# KiCad board hakea-epaper-onboard.kicad_pcb (continued)
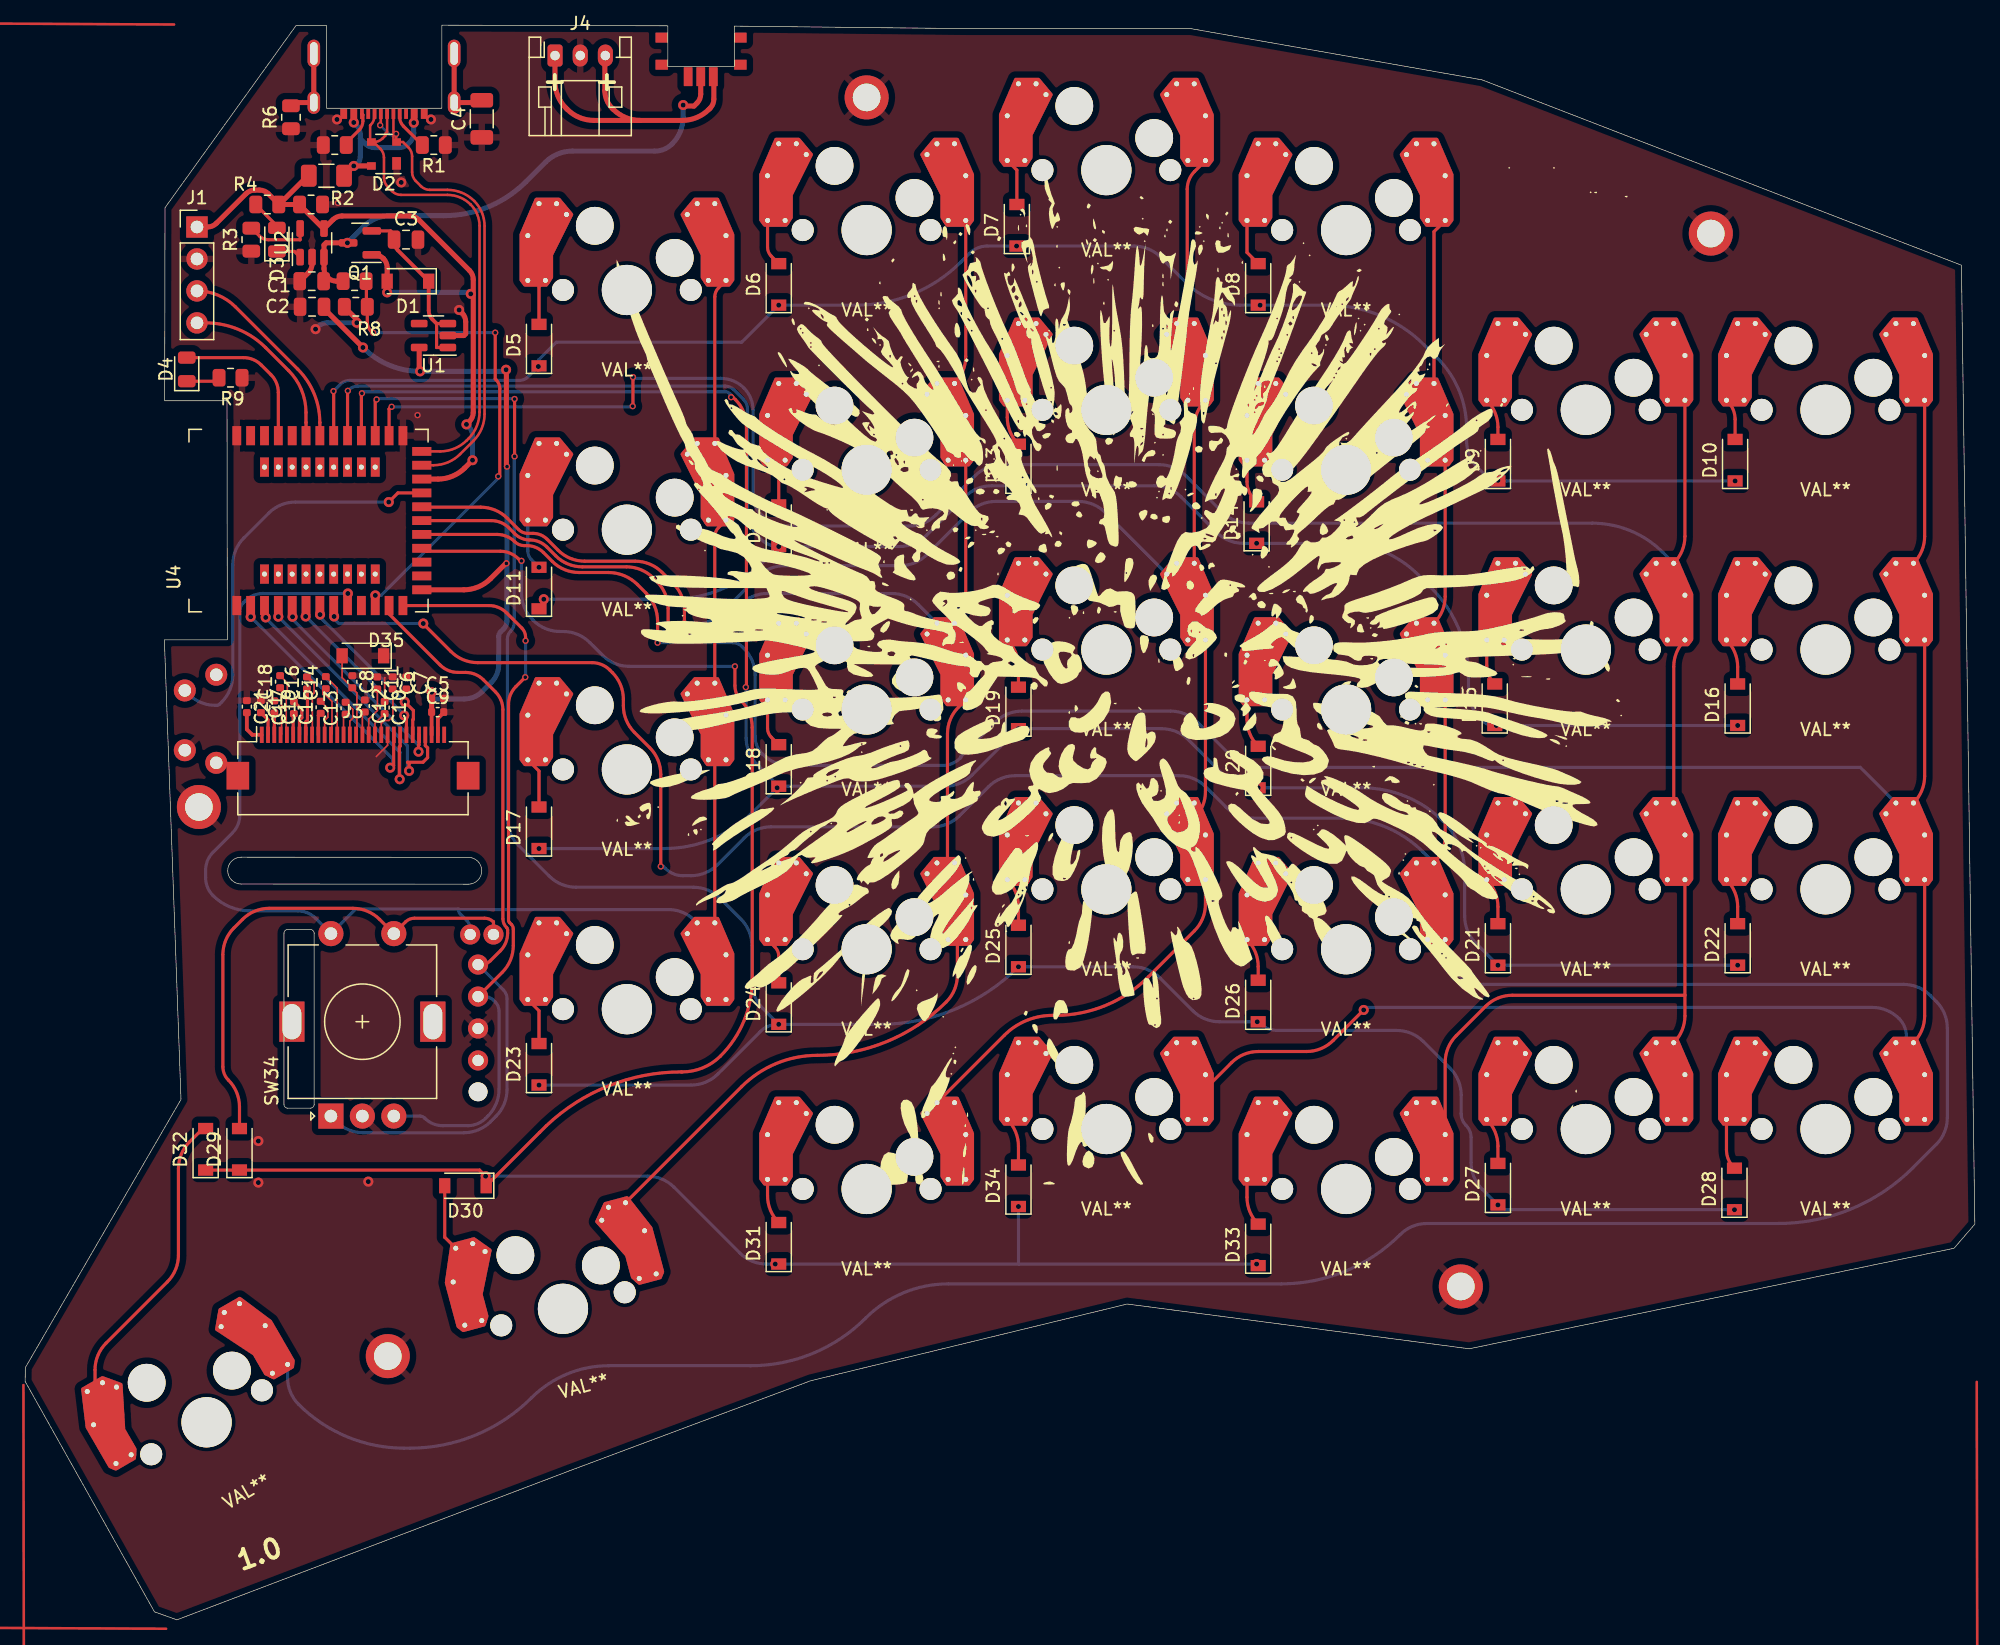
[diagram p0: board, top side]
## Nets
GND: C1.1 C1#2.2 C2.2 C3.2 C4.1 C5.2 C6.1 C7.1 C8.1 C9.2 C10.1 C11.1 C12.1 C19.1 C21.1 D2.1 D35.1 H2.1 H3.1 H4.1 H5.1 H6.1 J1.2 J2.A1 J3.21 J3.29 J4.2 R1.1 R2.2 R3.1 R5.1 R6.1 R8.1 R9.2 SW1.2 SW32.C SW34.C U1.2 U2.2 U4.1 U4.25 U4.37
VBAT: C1#2.1 Q1.3 R7.2 SW33.2 U2.3
VBUS: D1.2 F1.1 J1.1 Q1.1 R2.1 R4.1 U2.4 U4.22
VDD_NRF: C2.1 C5.1 C9.1 J3.28 U1.5 U4.14
/CC1: J2.A5 R1.2
/CC2: J2.B5 R5.2
BUSY: J3.22 U4.2
BVOLT: R7.1 R8.2 U4.11
COL0: SW2.2 SW8.2 SW14.2 SW20.2 SW32.S2 SW34.S2 U4.9
COL1: SW3.2 SW9.2 SW15.2 SW21.2 SW26.2 U4.19
COL2: SW4.2 SW10.2 SW16.2 SW22.2 SW27.2 U4.20
COL3: SW5.2 SW11.2 SW17.2 SW23.2 SW28.2 U4.8
COL4: SW6.2 SW12.2 SW18.2 SW24.2 SW29.2 U4.26
COL5: SW7.2 SW13.2 SW19.2 SW25.2 SW30.2 U4.18
CS: J3.25 U4.7
D+: D2.3 J2.A6 J2.B6 U4.24
D-: D2.2 J2.A7 J2.B7 U4.23
DC: J3.24 U4.6
Earth: C4.2 J2.S1 J2.S2 J2.S3 J2.S4 R6.2
LED_1: D4.2 U4.34
MOSI: J3.27 U4.4
RAW: D2.4 F1.2 J2.A4
RESET: SW1.1 U4.21
ROT1A: SW32.A SW34.A U4.12
ROT1B: SW32.B SW34.B U4.13
ROW0: D5.1 D6.1 D7.1 D8.1 D9.1 D10.1 U4.30
ROW1: D11.1 D12.1 D13.1 D14.1 D15.1 D16.1 U4.29
ROW2: D17.1 D18.1 D19.1 D20.1 D21.1 D22.1 U4.28
ROW3: D23.1 D24.1 D25.1 D26.1 D27.1 D28.1 U4.27
ROW4: D29.1 D30.1 D31.1 D32.1 D33.1 D34.1 U4.17
RST: J3.23 U4.3
SCLK: J3.26 U4.5
SWC: J1.3 U4.31
SWD: J1.4 U4.32
Net-(C3-Pad1): C3.1 D1.1 Q1.2 U1.1 U1.3
Net-(C6-Pad2): C6.2 C7.2 J3.20
Net-(C8-Pad2): C8.2 D35.2 J3.16
Net-(C10-Pad2): C10.2 J3.19
Net-(C11-Pad2): C11.2 J3.18
Net-(C12-Pad2): C12.2 J3.17
Net-(C13-Pad1): C13.1 J3.14
Net-(C13-Pad2): C13.2 J3.15
Net-(C14-Pad1): C14.1 J3.12
Net-(C14-Pad2): C14.2 J3.13
Net-(C15-Pad1): C15.1 J3.10
Net-(C15-Pad2): C15.2 J3.11
Net-(C16-Pad1): C16.1 J3.8
Net-(C16-Pad2): C16.2 J3.9
Net-(C17-Pad1): C17.1 J3.6
Net-(C17-Pad2): C17.2 J3.7
Net-(C18-Pad1): C18.1 J3.4
Net-(C18-Pad2): C18.2 J3.5
Net-(C19-Pad2): C19.2 J3.3
Net-(C20-Pad2): C1.2 J3.2
Net-(C21-Pad2): C21.2 J3.1
Net-(D3-Pad1): D3.1 U2.1
Net-(D3-Pad2): D3.2 R4.2
Net-(D4-Pad1): D4.1 R9.1
Net-(D5-Pad2): D5.2 SW2.1
Net-(D6-Pad2): D6.2 SW3.1
Net-(D7-Pad2): D7.2 SW4.1
Net-(D8-Pad2): D8.2 SW5.1
Net-(D9-Pad2): D9.2 SW6.1
Net-(D10-Pad2): D10.2 SW7.1
Net-(D11-Pad2): D11.2 SW8.1
Net-(D12-Pad2): D12.2 SW9.1
Net-(D13-Pad2): D13.2 SW10.1
Net-(D14-Pad2): D14.2 SW11.1
Net-(D15-Pad2): D15.2 SW12.1
Net-(D16-Pad2): D16.2 SW13.1
Net-(D17-Pad2): D17.2 SW14.1
Net-(D18-Pad2): D18.2 SW15.1
Net-(D19-Pad2): D19.2 SW16.1
Net-(D20-Pad2): D20.2 SW17.1
Net-(D21-Pad2): D21.2 SW18.1
Net-(D22-Pad2): D22.2 SW19.1
Net-(D23-Pad2): D23.2 SW20.1
Net-(D24-Pad2): D24.2 SW21.1
Net-(D25-Pad2): D25.2 SW22.1
Net-(D26-Pad2): D26.2 SW23.1
Net-(D27-Pad2): D27.2 SW24.1
Net-(D28-Pad2): D28.2 SW25.1
Net-(D29-Pad2): D29.2 SW32.S1 SW34.S1
Net-(D30-Pad2): D30.2 SW26.1
Net-(D31-Pad2): D31.2 SW27.1
Net-(D32-Pad2): D32.2 SW28.1
Net-(D33-Pad2): D33.2 SW29.1
Net-(D34-Pad2): D34.2 SW30.1
Net-(J4-Pad1): J4.1 J4.3 SW33.1
Net-(R3-Pad2): R3.2 U2.5

Pads without a net: J2 A8 B8; J3 30 MP; SW1 3; SW32 D; SW33 3 4; SW34 MP; U1 4; U4 10 15 16 33 35 36 38 39 40 41 42 43 44 45 46 47 48 49 50 51 52 53 54 55

## Via types
v1: diameter 0.8, hole 0.4, Top to Bottom, 69 vias
v2: diameter 0.5, hole 0.3, Top to Bottom, 28 vias

## Routing (per net, layer and track width the routed paths; a pad name or vN(x,y) marks a point on that pad's centre or on a via; arc(x,y) is an arc through that point)
GND: length 17
  Top w0.127: J3.21 28.8,69.5 27.9,68.61 ; 28.59,74.88 28.56,74.85 C10.1
  Top w0.3: J3.29 32.8,71.63 33.26,72.09 C9.2
  Top w0.4: v1(34.48,104.09) 34.71,103.86 arc(34.93,103.53) 35.01,103.15 35.01,102.2 34.86,102.06 U1.2 ; 21.83,106.38 22.5,107.05 arc(22.72,107.37) 22.8,107.75 22.8,108.32 ; 25.34,104.34 26.35,103.33 v1(26.35,103.07)
  Bottom w0.4: v1(26.35,103.07) 24,103.07 arc(23.62,103) 23.29,102.78 v1(23.08,102.57)
  vias: v1(18.53,38.05) v1(18.53,34.75) v1(24.78,119.23) v1(27.27,34.82) v1(29.88,114.22) v1(32.25,119.23) v2(24.85,112.6) v2(31.18,95.73)
VBAT: length 40.9
  Top w0.4: SW33.2 53.68,121.24 arc(53.61,120.86) 53.39,120.54 53.15,120.29 52.36,120.29 v1(52.29,120.37) ; v1(25.61,109.42) 23.92,109.42 23.75,109.25 23.75,107.38 arc(24.04,106.67) 24.75,106.38 25.24,106.38
  Bottom w0.4: v1(52.29,120.37) 52.29,119.4 arc(52.06,118.26) 51.41,117.28 arc(50.78,116.86) 50.03,116.71 43.47,116.71 arc(42.32,116.48) 41.35,115.83 39.8,114.28 arc(36.81,112.28) 33.28,111.58 29.01,111.58 arc(27.86,111.35) 26.89,110.7 v1(25.61,109.42)
VBUS: length 59.8
  Top w0.4: v1(35.55,92.15) 34.93,91.53 arc(33.95,90.88) 32.8,90.65 U4.22 ; 20.18,112.47 19.33,113.32 arc(19,113.54) 18.62,113.62 18.25,113.62 arc(17.87,113.54) 17.54,113.32 15.2,110.98 arc(14.87,110.76) 14.49,110.68 J1.1 ; 20.18,112.47 22.46,114.76 ; 20.18,112.47 21.37,112.47 arc(21.75,112.4) 22.07,112.18 23.73,110.52 ; v1(35.06,95) 35.31,95.24 arc(35.53,95.57) 35.61,95.95 35.61,106.51 arc(35.53,106.9) 35.31,107.22 31.27,111.26 arc(30.95,111.48) 30.56,111.56 25.17,111.56 arc(24.78,111.48) 24.46,111.26 23.76,110.56 ; v1(28.77,105.49) D1.2 28.77,107.46 arc(28.69,107.84) 28.47,108.17 28.46,108.18 arc(28.13,108.4) 27.75,108.47
  Bottom w0.4: v1(35.06,95) 35.25,94.81 arc(35.47,94.48) 35.55,94.1 v1(35.55,92.15) ; v1(35.41,105.37) 35.41,105.37 35.52,105.49 35.52,105.49 v1(28.77,105.49)
VDD_NRF: length 60.2
  Top w0.3: J3.28 C9.1
  Top w0.4: v1(31.38,99.21) 31.28,99.31 31.28,99.34 31.31,99.37 U1.5 ; v1(38.21,99.34) 38.24,99.31 38.24,91.64 v2(38.29,91.64) ; v1(32.3,73.71) 32.3,73.71 C5.1 C9.1 ; U4.14 34.85,81.85 arc(36,82.08) 36.97,82.73 38.24,84 v2(38.24,83.95) ; 23.73,104.22 v1(26.84,101.11)
  Bottom w0.4: v1(38.21,99.34) 38.09,99.21 v1(31.38,99.21) arc(28.94,99.7) 26.87,101.08 26.85,101.11 v1(26.84,101.11) ; v2(38.29,91.64) 38.29,84 v2(38.24,83.95) 38.28,83.91 38.28,79.35 arc(38.22,79.03) 38.03,78.76 37.78,78.5 arc(37.67,78.34) 37.63,78.15 37.63,75.91 arc(37.48,75.15) 37.04,74.5 36.31,73.76 arc(35.66,73.33) 34.9,73.18 32.3,73.18 v1(32.3,73.71)
/CC1: length 2.9
  Top w0.25: R1.2 30.05,118.7 arc(29.84,119.03) 29.76,119.41
/CC2: length 2.8
  Top w0.25: J2.B5 26.84,119.6 26.84,119.1 arc(26.76,118.72) 26.54,118.39 25.51,117.36
BUSY: length 20.4
  Top w0.25: v1(29.01,67.72) 29.12,67.72 29.28,67.88 29.28,70.31 J3.22 ; U4.2 17.92,79.91 17.95,79.88 17.95,79.73 v1(17.92,79.71)
  Bottom w0.25: v1(17.92,79.71) 29.2,68.43 29.2,67.69
BVOLT: length 40.3
  Top w0.25: U4.11 27.82,81.17 27.98,81.33 27.9,81.41 v1(27.83,81.41) ; v2(27.65,102.29) 27.62,102.26 27.48,102.4 arc(27.26,102.73) 27.19,103.11 R8.2 ; 37.72,90.86 37.72,97.83 arc(37.64,98.22) 37.42,98.54 37.35,98.61 v2(37.35,102.29) ; 27.11,106.38 27.11,104.44
  Bottom w0.25: 37.66,90.78 37.68,90.8 37.62,90.86 v2(37.59,90.86) 37.59,90.71 28.28,81.41 v1(27.83,81.41) ; v2(27.65,102.29) v2(37.35,102.29)
COL0: length 119.5
  Top w0.25: U4.9 25.62,81.54 v1(25.64,81.56) ; SW14.2 54.8,86.09 arc(54.88,86.47) 55.09,86.79 SW8.2 ; SW8.2 54.8,105.14 arc(54.88,105.52) 55.09,105.84 SW2.2 ; SW20.2 54.8,72.08
  Bottom w0.25: 34.43,56.44 51.1,56.44 arc(52.25,56.21) 53.22,55.56 ; 34.43,56.44 34.43,56.49 26.25,56.49 SW34.S2 23.07,55.75 arc(22.43,56.18) 21.66,56.34 17.86,56.34 arc(16.27,56.65) 14.92,57.55 arc(14.49,58.2) 14.34,58.97 14.34,59.57 arc(14.49,60.34) 14.92,60.99 16.47,62.53 arc(16.9,63.18) 17.06,63.95 17.06,80.13 arc(17.13,80.51) 17.35,80.84 17.49,80.97 arc(18.14,81.41) 18.9,81.56 v1(25.64,81.56) ; 34.43,56.44 arc(34.47,56.25) 34.58,56.09 35.07,55.59 arc(35.29,55.27) 35.36,54.89
COL1: length 127.6
  Top w0.25: SW3.2 74.74,100.38 arc(74.51,99.23) 73.86,98.26 ; SW21.2 74.08,51.23 arc(73.85,50.08) 73.2,49.11 arc(68.49,45.96) 62.94,44.86 arc(59.69,44.21) 56.93,42.37 SW26.2 ; v2(51.09,78.26) 51.09,80.37 arc(50.86,81.52) 50.21,82.49 49.91,82.8 arc(48.93,83.45) 47.78,83.68 44.27,83.68 arc(43.13,83.9) 42.15,84.55 41.45,85.25 arc(40.83,85.67) 40.1,85.81 arc(39.45,85.94) 38.9,86.31 38.45,86.76 arc(37.8,87.2) 37.03,87.35 U4.19 ; SW15.2 74.17,72.53 arc(73.52,71.56) 73.29,70.41 SW21.2 ; SW9.2 74.74,81.33 arc(74.51,80.18) 73.86,79.21
  Bottom w0.25: SW15.2 70.97,80.68 arc(70,81.33) 68.85,81.56 58.97,81.56 arc(57.82,81.33) 56.85,80.68 55.31,79.14 arc(54.33,78.49) 53.18,78.26 v2(51.09,78.26)
COL2: length 142.1
  Top w0.25: SW4.2 92.93,115.1 arc(92.49,114.45) 92.34,113.69 SW10.2 ; SW22.2 93.79,56.87 arc(93.56,55.72) 92.91,54.75 89.26,51.1 arc(85.87,48.83) 81.86,48.03 81.62,48.03 arc(79.56,47.62) 77.81,46.45 SW27.2 ; 31.55,88.42 36.19,88.42 arc(37.34,88.19) 38.31,87.54 39.21,86.64 arc(39.55,86.41) 39.94,86.33 40.36,86.33 arc(40.96,86.22) 41.47,85.88 42.34,85 arc(43.31,84.35) 44.46,84.12 48.48,84.12 arc(49.63,83.9) 50.6,83.25 51.51,82.34 arc(52.16,81.36) 52.39,80.22 v2(52.39,79.2) ; SW16.2 93.79,65.81 arc(93.56,64.66) 92.91,63.69 ; SW16.2 92.9,94.78 arc(93.13,95.93) 93.78,96.9
  Bottom w0.25: 90.72,83.1 85.82,88 arc(84.85,88.65) 83.7,88.87 77.13,88.87 arc(75.98,88.65) 75,88 71.66,84.65 arc(70.68,84) 69.53,83.77 60.34,83.77 arc(59.19,83.54) 58.22,82.89 55.33,80 arc(54.35,79.35) 53.21,79.12 52.46,79.12 v2(52.39,79.2)
COL3: length 342.5
  Top w0.25: SW11.2 111.95,110.31 SW5.2 ; v2(50.51,59.87) 50.51,67.18 arc(50.28,68.33) 49.63,69.31 48.41,70.52 arc(47.76,71.49) 47.54,72.64 47.54,73.15 arc(47.31,74.3) 46.66,75.28 46.46,75.48 arc(45.81,75.91) 45.04,76.06 35.96,76.06 arc(34.81,76.29) 33.84,76.94 31.64,79.15 v1(31.64,79.17) ; SW11.2 112.84,81.33 arc(112.61,80.18) 111.96,79.21 ; U4.8 24.55,80.57 v1(24.55,79.73) ; SW17.2 112.84,62.28 arc(112.61,61.13) 111.96,60.16
  Bottom w0.25: v2(50.51,59.87) 50.71,59.87 50.86,59.72 arc(51.51,59.28) 52.28,59.13 52.9,59.13 arc(54.05,59.36) 55.02,60.01 57.15,62.14 arc(58.12,62.79) 59.27,63.02 72.13,63.02 arc(73.27,63.25) 74.25,63.9 76.55,66.2 arc(77.53,66.85) 78.67,67.08 91.68,67.08 arc(92.83,66.85) 93.8,66.2 95.43,64.58 arc(96.4,63.93) 97.55,63.7 104.6,63.7 arc(108.11,63.01) 111.07,61.02 SW23.2 ; SW23.2 112.84,53.52 arc(113.07,52.37) 113.72,51.39 113.74,51.37 arc(114.71,50.72) 115.86,50.5 149.26,50.5 arc(150.41,50.27) 151.39,49.62 151.86,49.14 arc(152.51,48.17) 152.74,47.02 152.74,39.9 arc(152.51,38.75) 151.86,37.78 150.01,35.93 arc(145.1,32.65) 139.31,31.5 111.39,31.5 arc(110.24,31.27) 109.27,30.62 arc(104.92,27.71) 99.8,26.7 73.35,26.7 arc(69.8,25.99) 66.79,23.98 arc(62.6,21.18) 57.65,20.19 46.38,20.19 arc(43.06,19.53) 40.25,17.65 arc(35.8,14.68) 30.56,13.64 30.13,13.64 arc(25.58,14.54) 21.73,17.12 arc(21.08,18.09) 20.85,19.24 SW28.2 ; v1(31.64,79.17) 24.93,79.17 24.47,79.63 24.55,79.71 v1(24.55,79.73)
COL4: length 187.6
  Top w0.25: SW29.2 112.84,44.3 arc(113.07,45.45) 113.72,46.42 116.05,48.75 arc(117.02,49.4) 118.17,49.63 131.89,49.63 ; 131.89,49.63 131.89,47.99 arc(131.66,46.84) 131.01,45.87 ; 131.89,49.63 SW18.2 ; v2(48.27,96.44) 48.3,96.47 v2(48.3,98.76) ; U4.26 28.92,96.21 29.04,96.34 29.07,96.34 v2(29.12,96.39) ; SW18.2 131,75.73 arc(131.23,76.88) 131.88,77.85 ; SW6.2 131.89,86.09 arc(131.66,84.94) 131.01,83.97
  Bottom w0.25: v2(48.27,96.44) 48.22,96.39 v2(29.12,96.39) ; v2(48.3,98.76) 48.3,98.68 48.37,98.6 48.43,98.65 55.27,98.65 arc(56.27,98.46) 57.11,97.89 arc(57.65,97.08) 57.84,96.13 57.84,89.3 arc(57.99,88.54) 58.43,87.89 58.52,87.8 arc(59.49,87.15) 60.64,86.92 70.25,86.92 arc(71.39,87.15) 72.37,87.8 75.49,90.92 arc(76.46,91.57) 77.61,91.8 90.11,91.8 arc(91.26,91.57) 92.23,90.92 95.12,88.03 arc(96.09,87.38) 97.24,87.15 124.53,87.15 arc(127.56,86.54) 130.13,84.83 SW12.2
COL5: length 236.3
  Top w0.25: SW30.2 95.87,44.28 arc(96.84,44.93) 97.99,45.16 101.82,45.16 arc(102.97,45.39) 103.94,46.04 v1(106.36,48.46) ; SW7.2 150.94,86.09 arc(150.71,84.94) 150.06,83.97 ; SW19.2 150.94,47.99 arc(150.71,46.84) 150.06,45.87 ; U4.18 37.51,86.25 arc(38.26,86.1) 38.91,85.67 arc(39.25,85.44) 39.65,85.36 39.86,85.36 arc(40.57,85.22) 41.18,84.82 41.89,84.1 arc(42.87,83.45) 44.01,83.23 46.34,83.23 arc(47.6,82.98) 48.66,82.27 49.32,81.6 arc(50.01,80.57) 50.25,79.35 v2(50.25,77.65) ; SW13.2 150.94,67.04 arc(150.71,65.89) 150.06,64.92
  Bottom w0.25: v1(106.36,48.46) 106.26,48.56 106.26,48.67 146.78,48.67 arc(147.92,48.44) 148.9,47.79 148.9,47.78 arc(149.34,47.13) 149.49,46.37 SW25.2 ; v2(50.25,77.65) 56.24,77.65 arc(56.62,77.57) 56.95,77.35 57.12,77.18 arc(57.77,76.21) 58,75.06 58,70.21 arc(58.15,69.45) 58.59,68.8 58.61,68.77 arc(59.58,68.12) 60.73,67.89 72.89,67.89 arc(73.66,68.05) 74.31,68.48 74.36,68.53 74.36,68.61 77.09,71.33 arc(78.06,71.98) 79.21,72.21 91.02,72.21 arc(92.17,71.98) 93.14,71.33 95.86,68.62 arc(96.83,67.97) 97.98,67.74 145.82,67.74 148.65,64.91
CS: length 13.5
  Top w0.25: J3.25 30.8,71.52 30.85,71.57 30.85,72.26 v1(30.16,72.95) ; v1(23.43,79.88) 23.42,79.9 U4.7
  Bottom w0.25: 23.43,79.68 v1(30.16,72.95) ; v1(23.43,79.88) 23.43,79.58
D+: length 39
  Top w0.2: 27.69,117.43 28.22,116.9 arc(28.44,116.58) 28.51,116.2 28.51,114.59 arc(28.59,114.2) 28.8,113.88 29.16,113.53 arc(29.48,113.31) 29.87,113.23 33.55,113.23 arc(34.55,113.03) 35.4,112.47 35.4,112.46 arc(35.92,111.68) 36.11,110.77 36.11,95.98 arc(35.88,94.84) 35.23,93.86 35.09,93.73 arc(34.12,93.08) 32.97,92.85 U4.24 ; 27.41,117.43 27.41,118.75 27.47,118.81 arc(27.69,119.13) 27.76,119.52 ; J2.A6 28.76,118.23 28.61,118.08 28.61,117.93 28.41,117.73 arc(28.08,117.51) 27.7,117.43
D-: length 38.6
  Top w0.2: U4.23 32.44,91.75 arc(33.59,91.98) 34.56,92.63 35.63,93.7 arc(36.28,94.67) 36.51,95.82 36.51,110.76 arc(36.29,111.84) 35.68,112.75 arc(34.7,113.4) 33.55,113.63 32.16,113.63 arc(31.78,113.71) 31.45,113.93 31.04,114.34 arc(30.82,114.66) 30.75,115.04 30.75,116.3 arc(30.67,116.68) 30.45,117.01 30.03,117.43 D2.2 ; v2(28.21,118.77) 28.21,118.95 28.26,119 J2.A7 ; v2(29.48,118.08) 29.48,117.57 ; J2.B7 29.26,117.78
  Bottom w0.2: v2(28.21,118.77) 28.8,118.17 arc(29.13,117.96) 29.51,117.88 29.53,117.88 29.53,118.03 v2(29.48,118.08)
DC: length 13.6
  Top w0.25: U4.6 22.32,79.76 v1(22.29,79.73) ; v1(30.12,71.87) 30.12,71.92 30.3,71.75 J3.24
  Bottom w0.25: v1(22.29,79.73) 30.04,71.98 30.11,71.98
Earth: length 11.5
  Top w0.4: 36.18,120.57 J2.S4 J2.S2 ; 21.35,120.57 J2.S3 J2.S1
LED_1: length 12.2
  Top w0.25: U4.34 20.12,97.53 arc(19.96,98.3) 19.53,98.95 18.76,99.72 arc(18.11,100.15) 17.35,100.3 D4.2
MOSI: length 21.7
  Top w0.25: J3.27 31.8,69.47 31.98,69.29 31.98,68.52 31.61,68.15 30.39,68.15 30.51,68.03 v1(30.51,67.46) ; U4.4 v1(20.12,79.72)
  Bottom w0.25: v1(20.12,79.72) 30.37,69.47 30.37,67.46
RAW: length 13.7
  Top w0.4: 27.41,115.53 v1(26.11,115.53) F1.2 ; v1(30.88,118.97) 30.91,119 J2.A4 ; J2.A4 v1(26.11,118.99)
  Bottom w0.4: v1(30.88,118.97) 30.88,118.15 arc(30.8,117.77) 30.59,117.44 30.43,117.29 arc(30.11,117.07) 29.72,116.99 27.76,116.99 arc(27.37,117.07) 27.05,117.29 26.63,117.7 ; v1(26.11,115.53) 26.15,115.49 26.23,115.49 26.34,115.61 arc(26.56,115.93) 26.63,116.31 26.63,118.05 arc(26.56,118.43) 26.34,118.76 v1(26.11,118.99)
RESET: length 32.9
  Top w0.25: U4.21 29.62,89.55 v1(28.89,88.82)
  Bottom w0.25: v1(28.89,88.82) 21.47,88.82 arc(20.33,88.6) 19.35,87.95 17.38,85.97 arc(16.73,85) 16.5,83.85 16.5,75.06 arc(16.27,73.91) 15.62,72.93 15.43,72.74 arc(15.35,72.69) 15.25,72.67 15.11,72.67 arc(13.96,72.9) 12.99,73.55 SW1.1 13.23,73.85
ROT1A: length 60.9
  Top w0.25: U4.12 28.92,79.93 32.98,75.87 arc(33.63,75.44) 34.39,75.29 35,75.29 arc(35.76,75.13) 36.41,74.7 37.37,73.74 arc(37.81,73.09) 37.96,72.32 37.96,55.72 arc(38.04,55.34) 38.25,55.01 38.27,55 arc(38.32,54.92) 38.34,54.83 38.34,54.57 arc(38.19,53.81) 37.75,53.16 36.96,52.36 arc(36.63,52.15) 36.25,52.07
  Bottom w0.25: SW32.A 38,50.06 arc(38.21,49.74) 38.29,49.35 38.29,42.14 arc(38.06,40.99) 37.41,40.02 36.98,39.58 arc(36.01,38.93) 34.86,38.71 26.86,38.71 arc(25.71,38.93) 24.74,39.58
ROT1B: length 59.3
  Top w0.25: U4.13 36.85,80.6 arc(37.61,80.45) 38.26,80.01 39.47,78.8 arc(39.69,78.48) 39.76,78.1 v2(39.76,77.8) ; SW32.B 37.91,51.45 arc(38.56,52.42) 38.79,53.57 38.79,54.9 arc(38.75,55.1) 38.64,55.26 38.48,55.42 arc(38.43,55.5) 38.41,55.59 38.41,72.75 arc(38.56,73.51) 39,74.16 v2(39.74,74.9)
  Bottom w0.25: v2(39.76,77.8) 39.76,74.96 ; SW34.B 31.38,40.03 arc(31.57,39.99) 31.73,39.88 31.76,39.85 arc(32.41,39.42) 33.18,39.27 35.18,39.27 arc(35.94,39.42) 36.59,39.85 36.78,40.04 arc(37.43,41.01) 37.66,42.16 37.66,48.38 arc(37.58,48.76) 37.36,49.09 37.21,49.24 arc(36.89,49.45) 36.5,49.53
ROW0: length 128.8
  Top w0.25: U4.30 24.52,97.62 v2(24.5,97.64)
  Bottom w0.25: v2(24.5,97.64) 25.06,98.19 arc(25.38,98.41) 25.76,98.49 39.26,98.49 arc(39.64,98.56) 39.97,98.78 v1(40.78,99.59) D5.1 40.83,100.15 42.2,101.52 56.93,101.52 v1(59.88,104.47) 66.06,104.47 arc(70.56,105.37) 74.37,107.91 75.04,108.58 arc(75.69,109.02) 76.46,109.17 v1(78.78,109.17) D7.1 ; v1(135.88,90.5) 117.71,90.5 arc(116.57,90.73) 115.59,91.38 115.42,91.55 arc(114.77,92.53) 114.54,93.67 114.54,94.68 arc(113.94,97.69) 112.23,100.25 111.19,101.29 arc(107.67,103.65) 103.52,104.47 v1(98.13,104.47) D8.1 96.55,104.47 arc(94.23,104.93) 92.27,106.25 90.22,108.29 arc(89.25,108.94) 88.1,109.17 78.8,109.17
  vias: v1(117.03,90.55)
ROW1: length 156.8
  Top w0.25: U4.29 25.62,97.64 v2(25.64,97.66)
  Bottom w0.25: v1(136.08,71.07) v1(116.9,71.07) 116.78,71.07 ; v2(25.64,97.66) 25.72,97.75 arc(26.05,97.96) 26.43,98.04 55.61,98.04 arc(55.99,97.96) 56.32,97.75 57.1,96.97 arc(57.32,96.64) 57.39,96.26 57.39,88.19 arc(57.62,87.04) 58.27,86.07 58.46,85.88 arc(59.11,85.45) 59.87,85.29 ; v1(41.21,81.1) 51.32,81.1 arc(55.36,81.91) 58.78,84.2 v1(59.88,85.29) 69.48,85.29 arc(70.63,85.52) 71.6,86.17 74.67,89.24 arc(75.65,89.89) 76.79,90.12 v1(78.93,90.12) 89.73,90.12 arc(90.88,89.89) 91.85,89.24 94.66,86.43 arc(95.64,85.78) 96.78,85.55 v1(97.85,85.55) 104.66,85.55 arc(107.92,84.9) 110.69,83.05 111.75,81.99 arc(113.93,78.73) 114.69,74.88 114.69,73.84 arc(114.92,72.69) 115.57,71.71 115.92,71.36 arc(116.25,71.15) 116.63,71.07
ROW2: length 175
  Top w0.25: v2(26.76,97.46) 26.72,97.42 U4.28 ; v2(56.1,97.16) 56.17,97.23 56.44,96.97 arc(57.09,95.99) 57.32,94.85 57.32,74.17 v2(57.26,74.12)
  Bottom w0.25: v2(57.26,74.12) 57.29,74.09 57.29,70.08 arc(57.52,68.93) 58.17,67.96 D18.1 ; D18.1 v1(59.75,66.12) 57.86,64.22 arc(54.61,62.05) 50.79,61.29 v1(40.83,61.29) ; D18.1 73.12,66.24 arc(74.26,66.47) 75.24,67.12 v1(78.93,70.82) 90.31,70.82 arc(91.46,70.59) 92.43,69.94 95.37,67 arc(96.35,66.35) 97.49,66.12 v1(97.98,66.12) 106.23,66.12 arc(109.73,65.42) 112.7,63.44 arc(113.95,61.57) 114.39,59.35 114.39,55.9 arc(114.62,54.76) 115.27,53.78 v1(117.03,52.02) v1(136.08,52.02) ; v2(56.1,97.16) 56.1,97.33 55.99,97.44 arc(55.82,97.55) 55.63,97.59 26.81,97.59 26.76,97.54 v2(26.76,97.46)
ROW3: length 187.9
  Top w0.25: v2(38.89,97.01) 38.89,92.47 38.87,92.46 ; v2(27.93,96.98) 27.82,96.87 U4.27
  Bottom w0.25: D26.1 v1(97.91,47.52) 94.9,47.52 arc(93.76,47.75) 92.78,48.4 90.17,51.01 arc(89.2,51.66) 88.05,51.89 v1(78.93,51.89) arc(73.87,48.51) 67.89,47.32 v1(59.88,47.32) 58.63,48.58 arc(57.98,49.55) 57.75,50.7 57.75,53.57 arc(57.52,54.72) 56.87,55.69 55.22,57.34 arc(54.25,57.99) 53.1,58.22 43.77,58.22 arc(42.62,58.45) 41.65,59.1 39.19,61.55 arc(38.54,62.52) 38.32,63.67 38.32,77.94 arc(38.38,78.27) 38.57,78.55 38.59,78.57 arc(38.79,78.88) 38.86,79.24 38.86,92.43 v2(38.89,92.46) ; v1(40.83,42.5) 52.92,42.5 arc(54.07,42.72) 55.05,43.37 58.41,46.74 arc(59.06,47.17) 59.82,47.32 ; v1(135.83,32.59) 117.82,32.59 arc(117.44,32.67) 117.12,32.88 ; v2(27.93,96.98) 27.99,97.04 38.81,97.04 38.84,97.01 v2(38.89,97.01) ; v1(117.03,32.97) 115.78,34.22 arc(115.13,35.2) 114.9,36.35 114.9,38.32 arc(114.79,38.84) 114.5,39.29 arc(114.21,39.72) 114.11,40.23 114.11,41.71 arc(113.88,42.86) 113.23,43.83 111.1,45.96 arc(110.13,46.61) 108.98,46.84 99.5,46.84 arc(98.73,46.99) 98.08,47.42
ROW4: length 174.8
  Top w0.25: 14.77,35.74 D29.1 36.11,35.74 v1(36.59,35.26) ; v2(56.4,75.77) 56.4,74.23 arc(56.53,73.59) 56.89,73.04 arc(57.54,72.07) 57.77,70.92 57.77,50.88 arc(57.12,47.59) 55.26,44.8 arc(53.85,43.87) 52.2,43.54 52.13,43.54 arc(46.36,42.43) 41.42,39.27 40.88,38.73 40.88,38.73 D30.1 ; v2(39.44,84.15) 39.36,84.15 39.18,84.33 arc(38.53,84.76) 37.76,84.91 31.96,84.91 arc(31.77,84.95) 31.61,85.06
  Bottom w0.25: 78.95,28.27 v1(59.6,28.27) 58.91,28.27 arc(57.76,28.5) 56.79,29.15 51.56,34.38 arc(50.59,35.03) 49.44,35.26 v1(36.59,35.26) ; 78.95,28.27 v1(97.85,28.27) ; 78.95,28.27 78.93,28.3 v1(78.93,32.84) ; v2(56.4,75.77) 48,75.77 arc(46.86,76) 45.88,76.65 44.87,77.66 arc(43.9,78.31) 42.75,78.54 42.5,78.54 arc(41.35,78.77) 40.38,79.42 40.32,79.48 arc(39.67,80.45) 39.44,81.6 v2(39.44,84.15)
RST: length 21.6
  Top w0.25: U4.3 19.02,79.75 v1(19.11,79.65) ; J3.23 29.8,69.43 29.73,69.36 29.73,66.83 v1(29.76,66.8)
  Bottom w0.25: 29.78,67.03 29.78,68.94 19.11,79.6 v1(19.11,79.65)
SCLK: length 17.1
  Top w0.25: v1(21.25,79.71) 21.22,79.74 U4.5 ; v1(31.25,68.99) 31.25,69.49 31.3,69.54 J3.26
  Bottom w0.25: v1(21.25,79.71) 21.25,79.5 31.25,69.49 v1(31.25,68.99)
SWC: length 16.2
  Top w0.25: U4.31 23.42,95.15 23.41,95.15 arc(22.96,97.44) 21.66,99.38 16.71,104.34 arc(15.3,105.27) J1.3
SWD: length 13.4
  Top w0.25: U4.32 22.32,95.15 22.31,95.15 22.31,95.94 arc(21.96,97.74) 20.93,99.27 19.12,101.09 arc(16.93,102.55) 14.35,103.06
Net-(C3-Pad1): length 13.2
  Top w0.25: 27.61,110.37 29.04,110.37 29.22,110.19 ; 33.55,103.01 32.69,103.01 32.69,101.11 33.55,101.11
  Top w0.3: 32.69,103.01 32.36,103.34 arc(32.14,103.67) 32.07,104.05 D1.1 29.61,108.83 arc(29.39,109.16) 29.31,109.54
Net-(C6-Pad2): length 5.2
  Top w0.127: C7.2 30.14,73.82 29.22,73.82 29.22,71.79 28.9,71.47 28.54,71.47 28.3,71.23 J3.20
Net-(C8-Pad2): length 6.6
  Top w0.127: D35.2 25.19,74.88 C8.2 ; 26.07,73.94 26.36,73.65 26.36,70.39 J3.16
Net-(C10-Pad2): length 2
  Top w0.127: J3.19 27.8,71.25 C10.2
Net-(C11-Pad2): length 3.7
  Top w0.127: J3.18 27.3,71.57 27.99,72.26 27.99,73.7 28,73.71
Net-(C12-Pad2): length 1.9
  Top w0.127: J3.17 26.8,71.95 C12.2
Net-(C13-Pad1): length 1.7
  Top w0.127: J3.14 25.3,71.79 C13.1
Net-(C13-Pad2): length 2.9
  Top w0.127: C13.2 26.04,72.35 26.04,71.65 25.8,71.42 J3.15
Net-(C14-Pad1): length 4.2
  Top w0.127: J3.12 24.38,70.41 24.38,72.98 23.82,73.54 23.66,73.54 23.66,73.76 C14.1
Net-(C14-Pad2): length 5
  Top w0.127: C14.2 24.8,74.04 J3.13
Net-(C15-Pad1): length 1.8
  Top w0.25: J3.10 23.3,71.85 C15.1
Net-(C15-Pad2): length 3
  Top w0.127: J3.11 23.8,71.47 24.06,71.73 24.06,72.42 C15.2
Net-(C16-Pad1): length 3.7
  Top w0.25: J3.8 22.3,71.36 22.43,71.49 22.43,73.92 C16.1
Net-(C16-Pad2): length 5.6
  Top w0.127: J3.9 22.82,70.35 22.82,73.52 22.96,73.66 22.96,74.35 C16.2
  Top w0.25: C16.2 22.44,74.93 22.87,74.5
Net-(C17-Pad1): length 1.7
  Top w0.25: C17.1 21.3,71.96 J3.6
Net-(C17-Pad2): length 3
  Top w0.25: C17.2 21.36,72.97 21.98,72.34 21.98,71.68 21.8,71.49 J3.7
Net-(C18-Pad1): length 3.8
  Top w0.127: C18.1 20.37,73.95 20.37,70.4 J3.4
Net-(C18-Pad2): length 5
  Top w0.127: C18.2 20.83,74.46 20.83,73.76 20.75,73.68 20.75,70.38 J3.5
Net-(C19-Pad2): length 1.7
  Top w0.25: C19.2 19.8,72.06 J3.3
Net-(C20-Pad2): length 2
  Top w0.25: J3.2 19.3,71.52 C1.2
Net-(C21-Pad2): length 2.7
  Top w0.3: J3.1 18.05,70.33 17.61,70.76 C21.2
Net-(D3-Pad1): length 2
  Top w0.25: D3.1 21.39,108.74 U2.1
Net-(D3-Pad2): length 2.4
  Top w0.25: 18.3,112.47 20,110.77
Net-(D4-Pad1): length 2.3
  Top w0.25: D4.1 15.13,98.43
Net-(D5-Pad2): length 3.7
  Top w0.25: D5.2 40.83,105.93 SW2.1
Net-(D6-Pad2): length 3.8
  Top w0.25: SW3.1 58.99,109.07 arc(59.07,108.69) 59.28,108.37 D6.2
Net-(D7-Pad2): length 3.8
  Top w0.25: D7.2 78.8,115.2 SW4.1
Net-(D8-Pad2): length 3.8
  Top w0.25: D8.2 97.09,108.66 SW5.1
Net-(D9-Pad2): length 3.3
  Top w0.25: D9.2 117.03,94.78 arc(116.8,95.93) 116.15,96.9
Net-(D10-Pad2): length 3.2
  Top w0.25: D10.2 135.88,95.4 arc(135.72,96.16) 135.29,96.81
Net-(D11-Pad2): length 4.1
  Bottom w0.25: SW8.1 39.94,84.94 arc(40.02,84.56) 40.23,84.24 v1(40.83,83.64)
Net-(D12-Pad2): length 3.9
  Top w0.25: SW9.1 59.59,91.56 arc(59.8,91.23) 59.88,90.85 D12.2
Net-(D13-Pad2): length 3.7
  Top w0.25: SW10.1 78.04,95.55 arc(78.27,94.4) 78.92,93.43
Net-(D14-Pad2): length 3.3
  Top w0.25: SW11.1 97.09,90.44 arc(97.24,89.67) 97.68,89.02
Net-(D15-Pad2): length 3.6
  Top w0.25: SW12.1 116.14,75.83 arc(116.29,75.07) 116.73,74.42
Net-(D16-Pad2): length 3.7
  Top w0.25: D16.2 136.08,75.73 arc(135.85,76.88) 135.2,77.85
Net-(D17-Pad2): length 4.1
  Top w0.25: SW14.1 40.83,67.45 D17.2
Net-(D18-Pad2): length 3.9
  Top w0.25: D18.2 59.28,70.14 arc(59.07,70.46) 58.99,70.85 SW15.1
Net-(D19-Pad2): length 4
  Top w0.25: D19.2 78.93,75.73 arc(78.7,76.88) 78.05,77.85
Net-(D20-Pad2): length 3.9
  Top w0.25: SW17.1 97.09,71.55 arc(97.32,70.4) 97.97,69.43
Net-(D21-Pad2): length 3.7
  Top w0.25: D21.2 117.03,56.68 arc(116.8,57.83) 116.15,58.8
Net-(D22-Pad2): length 3.7
  Top w0.25: D22.2 136.08,56.68 arc(135.85,57.83) 135.2,58.8
Net-(D23-Pad2): length 3.9
  Top w0.25: D23.2 40.83,48.4 SW20.1
Net-(D24-Pad2): length 3.8
  Top w0.25: D24.2 59.88,52.75 arc(59.8,53.13) 59.59,53.46 SW21.1
Net-(D25-Pad2): length 3.8
  Top w0.25: D25.2 78.93,56.68 arc(78.7,57.83) 78.05,58.8
Net-(D26-Pad2): length 3.5
  Top w0.25: D26.2 97.98,51.92 arc(97.75,53.07) 97.1,54.04
Net-(D27-Pad2): length 3.7
  Top w0.25: D27.2 117.03,37.63 arc(116.8,38.78) 116.15,39.75
Net-(D28-Pad2): length 4
  Top w0.25: SW25.1 135.19,37.35 arc(135.34,36.59) 135.78,35.94
Net-(D29-Pad2): length 39.9
  Top w0.25: SW32.S1 37.21,55.46 37.21,55.46 arc(36.89,55.68) 36.5,55.75 30.93,55.75 arc(30.55,55.68) 30.22,55.46 SW34.S1 28.16,55.66 arc(27.19,56.31) 26.04,56.54 19.39,56.54 arc(18.24,56.31) 17.27,55.66 16.59,54.98 arc(15.94,54.01) 15.71,52.86 15.71,43.96 arc(15.82,43.38) 16.15,42.89 arc(16.8,41.92) 17.03,40.77 D29.2
Net-(D30-Pad2): length 5.3
  Top w0.25: D30.2 33.34,30.41 SW26.1
Net-(D31-Pad2): length 3.7
  Top w0.25: SW27.1 58.99,33.7 arc(59.22,32.55) 59.87,31.58
Net-(D32-Pad2): length 27.4
  Top w0.25: 14.77,39.04 14.12,39.04 13.06,37.98 arc(12.41,37) 12.18,35.85 12.18,28.98 arc(11.95,27.83) 11.3,26.86 6.43,21.99 arc(5.78,21.01) 5.55,19.86 5.55,17.54 SW28.1 5.47,17.61
Net-(D33-Pad2): length 3.8
  Top w0.25: SW29.1 97.09,33.58 arc(97.32,32.43) 97.97,31.46
Net-(D34-Pad2): length 3.8
  Top w0.25: D34.2 78.93,37.63 arc(78.7,38.78) 78.05,39.75
Net-(J4-Pad1): length 25.7
  Top w0.4: 46.06,124.21 46.06,121.53 arc(46.22,120.76) 46.65,120.12 46.73,120.03 arc(47.71,119.38) 48.85,119.15 ; 48.85,119.15 45.2,119.15 arc(44.05,119.38) 43.08,120.03 42.98,120.13 arc(42.33,121.1) 42.1,122.25 42.1,124.3 ; 48.85,119.15 52.21,119.15 arc(53.36,119.38) 54.33,120.03 54.43,120.13 arc(54.65,120.45) 54.72,120.84 54.72,122.59
Net-(R3-Pad2): length 5.1
  Top w0.25: 21.85,110.52 21.85,109.67 19.33,109.67 arc(18.95,109.74) 18.62,109.96 17.97,110.61

## Copper pours and planes (outline as drawn; the poured copper is in the pictures)
GND on Top, Bottom: 154.88,29.41 12.2,-8.64 4.69,0.61 -11.54,16.66 11.37,122.63 12.64,131.27 154.37,132.79

## Text on the board
B.Mask: Hakea
B.Silkscreen: +  + | ${REVISION}
F.Mask: Hakea
F.Silkscreen: +  + | ${REVISION}
